# Altium PCB TinyShuffle v.0a.PcbDoc
Units mm, origin at the board's own origin, x right, y up, seen from the top; angles counter-clockwise.
Board outline 65 x 90 mm, 2 copper layers (Top Layer, Bottom Layer), stack 1.57 mm thick; 75 components, 39 nets, 353 pads, 283 vias.
Unrouted connection lines stored in the file: 21.
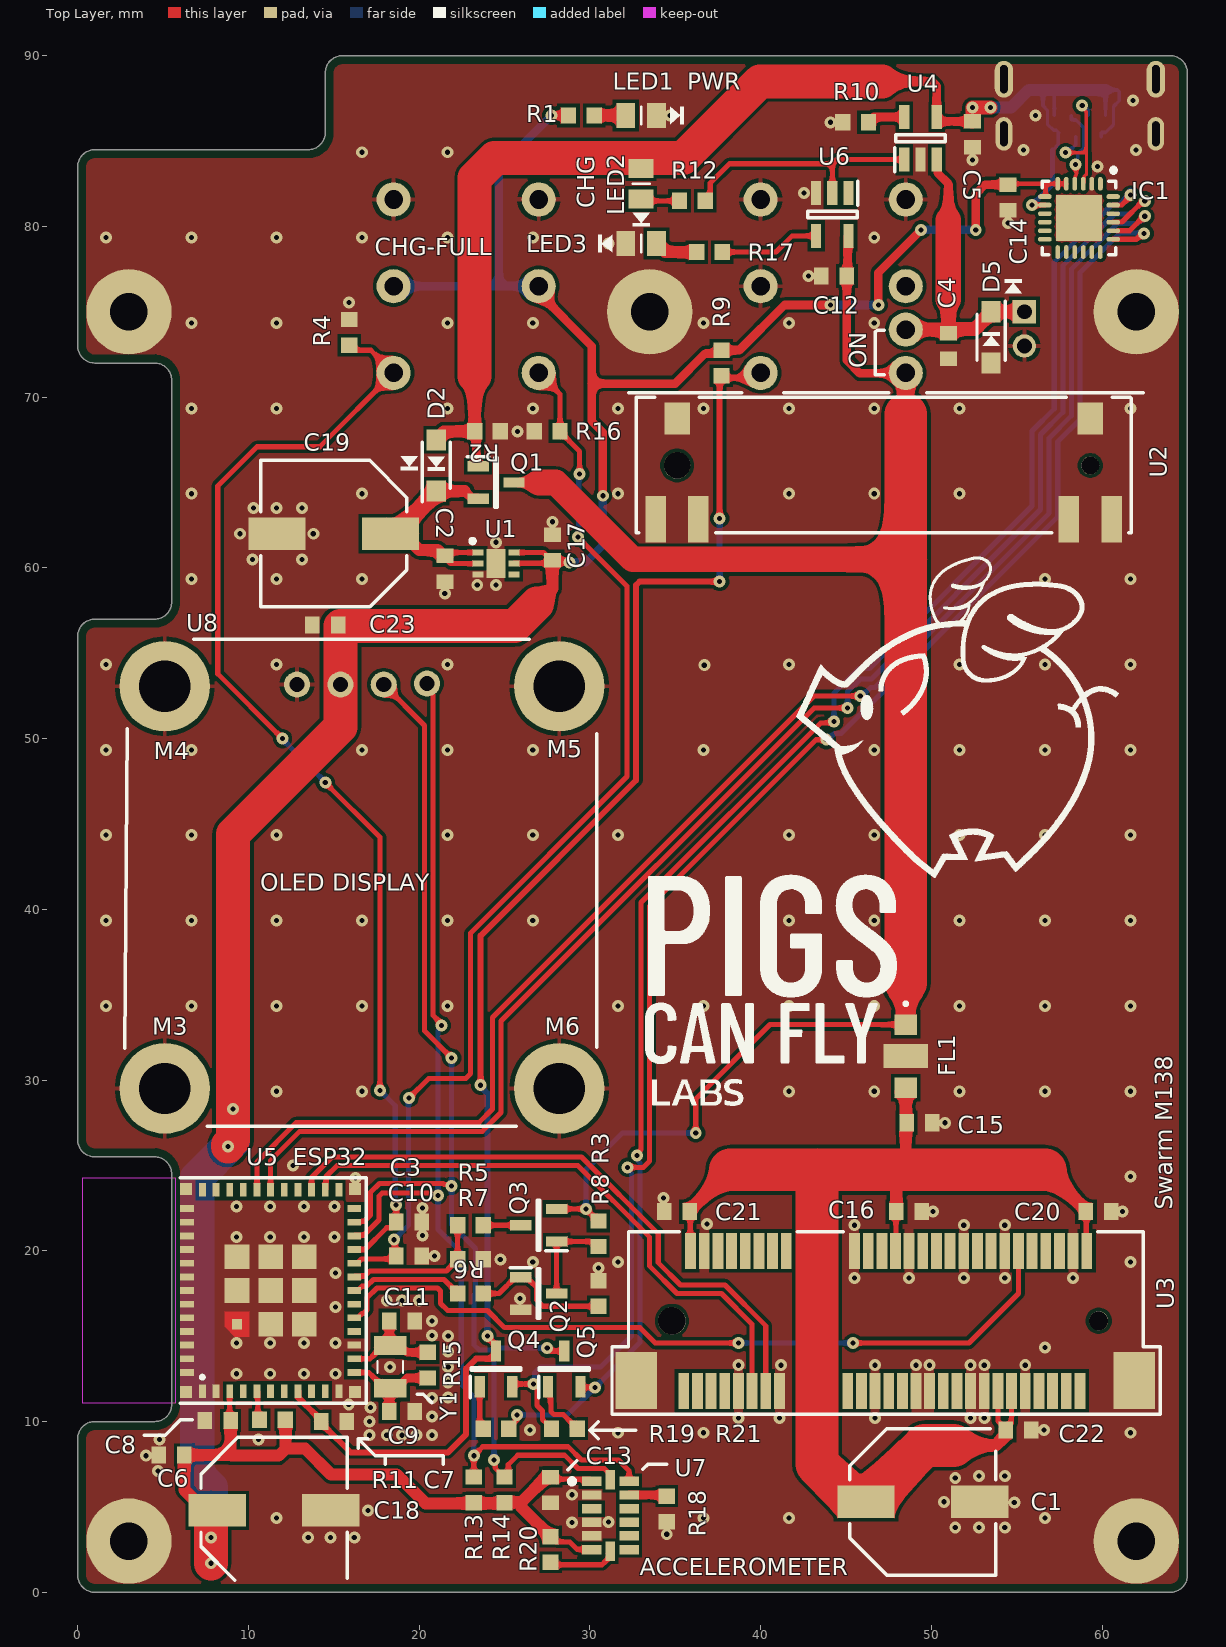
[diagram p0: Top Layer view]
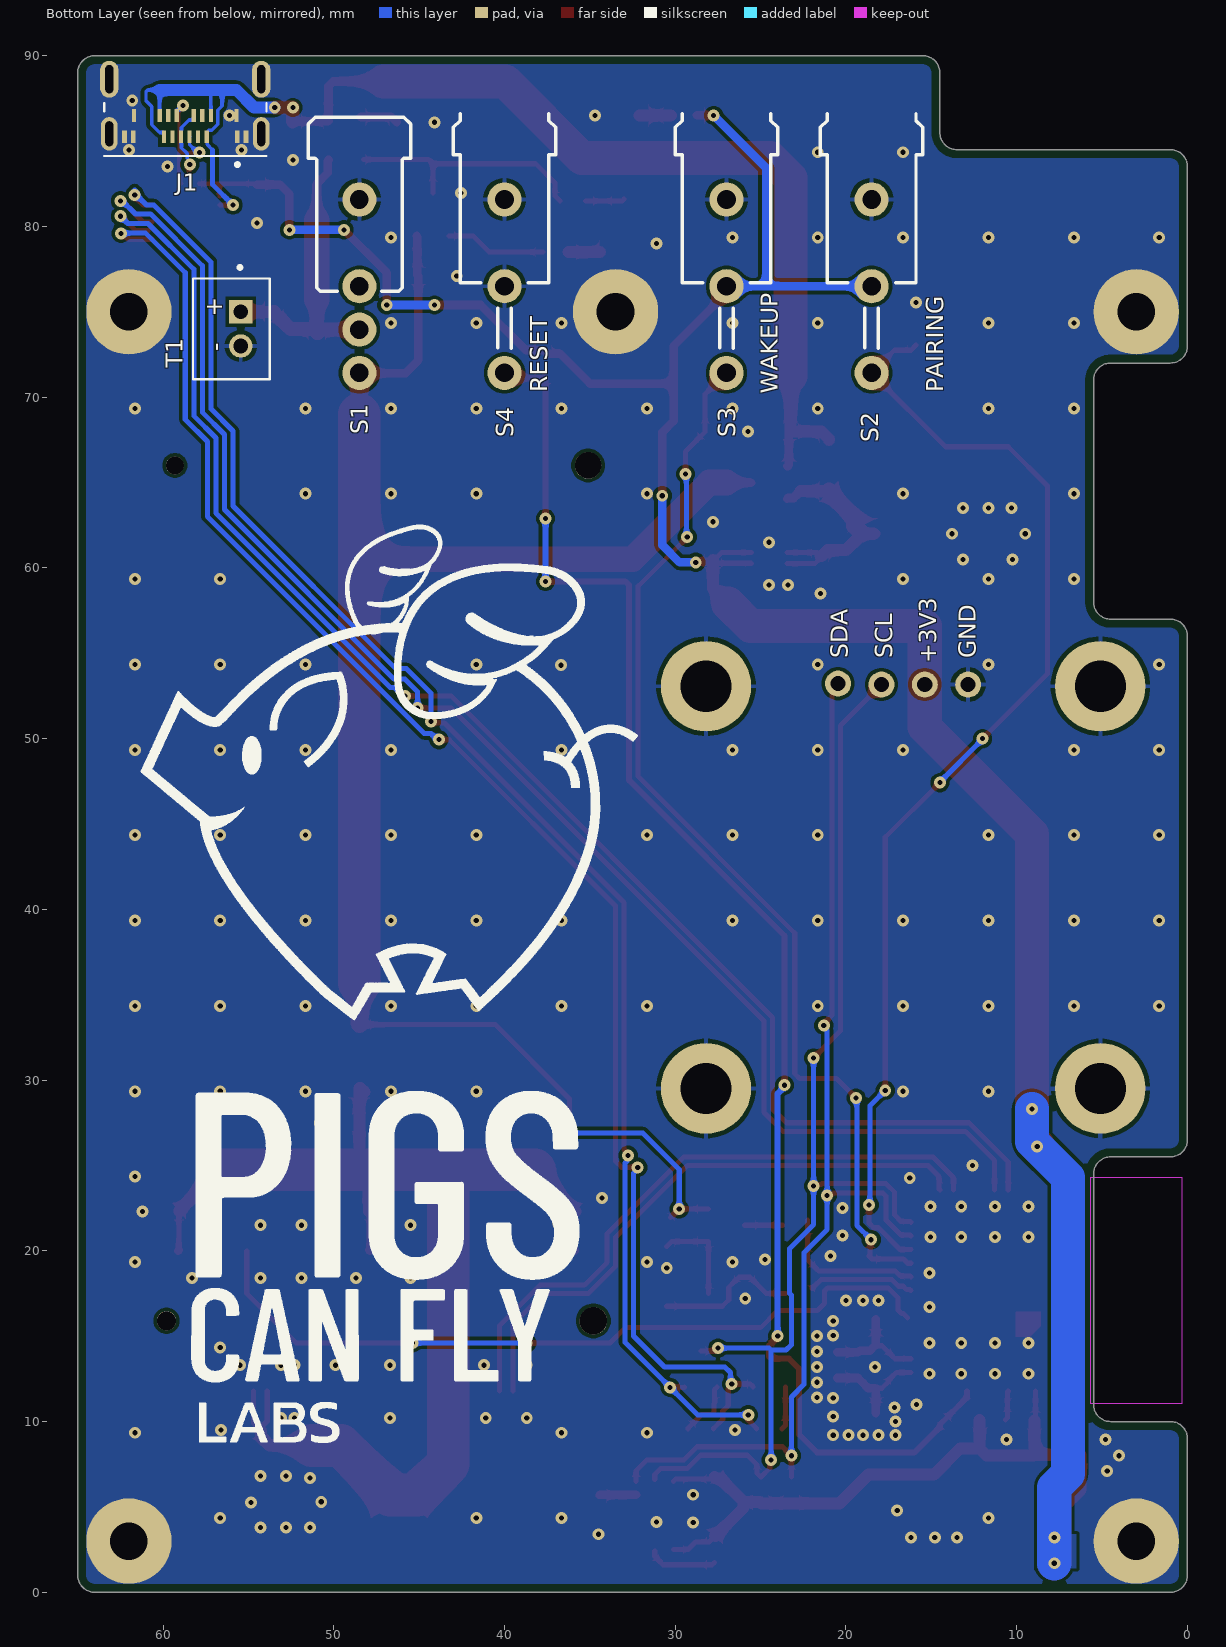
[diagram p1: Bottom Layer view, seen from below]
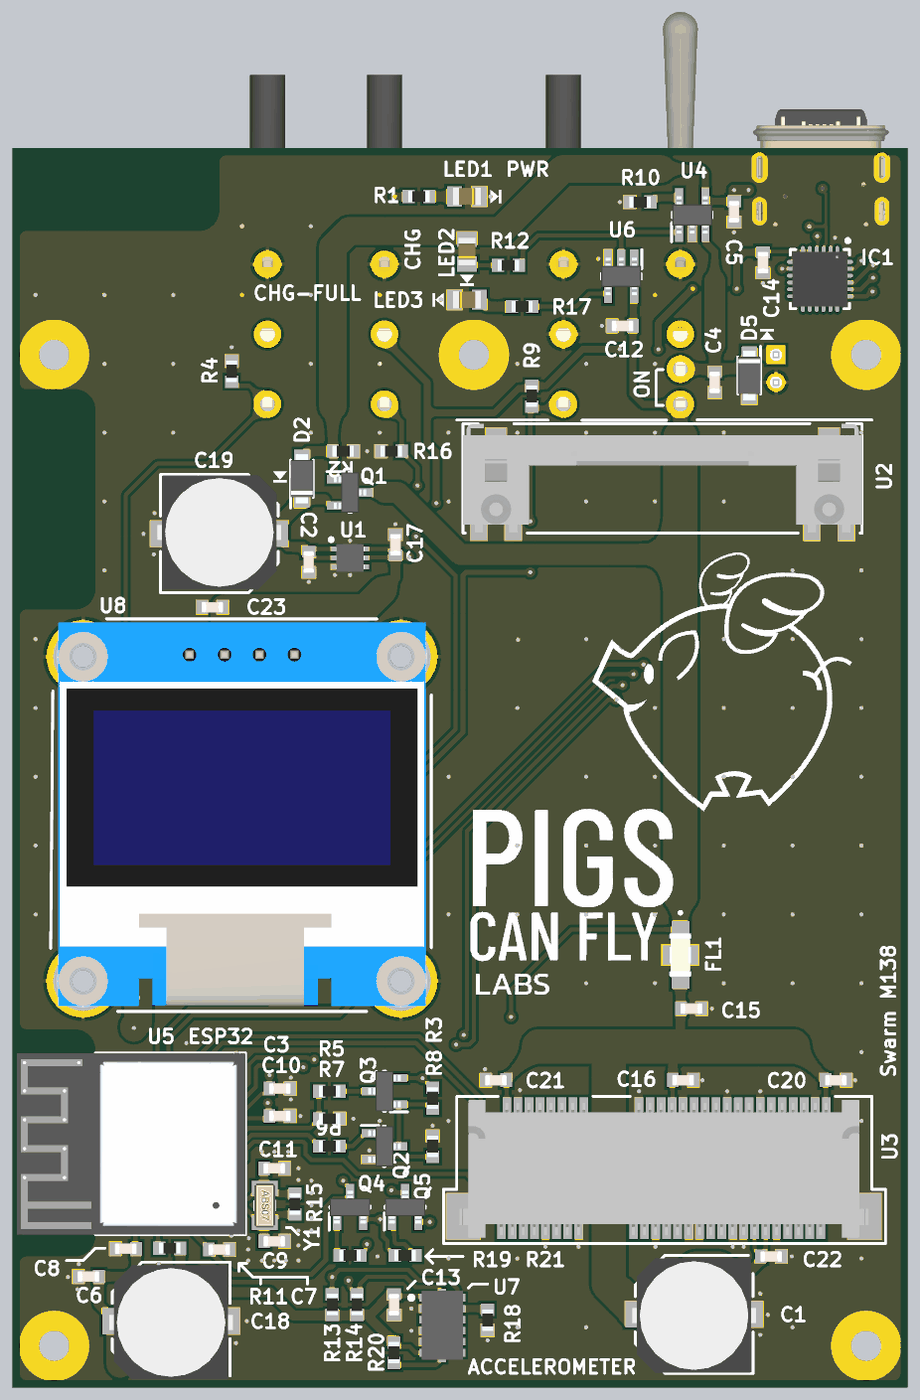
[diagram p2: 3D render of the assembled board from above, using the file's embedded part models]
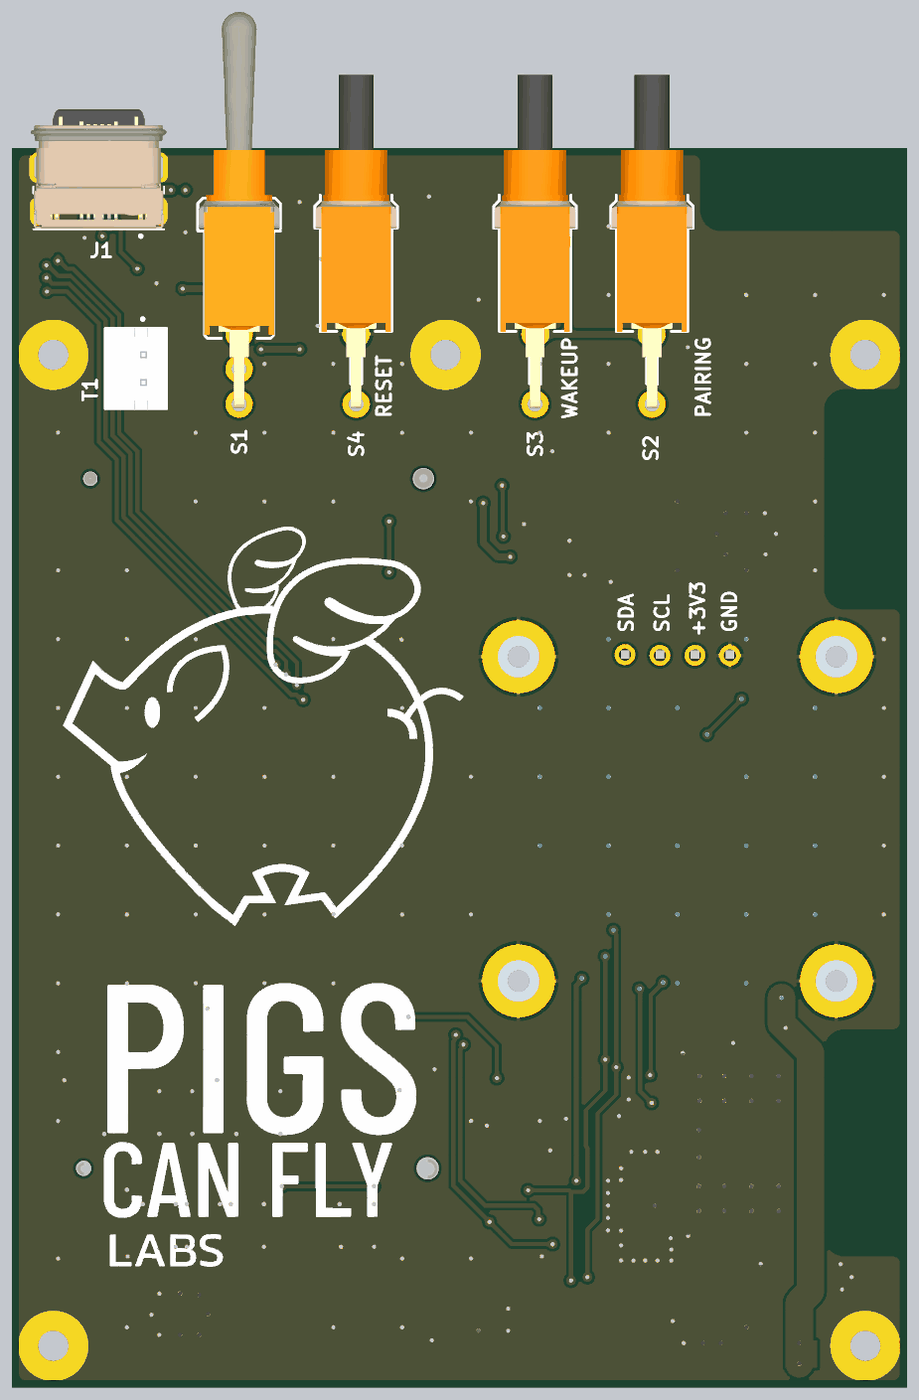
[diagram p3: 3D render of the assembled board from below, using the file's embedded part models]

## Layer stack, top to bottom
Top Solder: solder mask 0.0102, Solder Resist, Dk 3.5
Top Layer: signal copper 0.0356
Dielectric 1: core 1.4986, Core-043, Dk 4.3
Bottom Layer: signal copper 0.0356
Bottom Solder: solder mask 0.0102, Solder Resist, Dk 3.5

## Board outline
0,1 ccw(c1,1) 1,0 64,0 ccw(c64,1) 65,1 65,89 ccw(c64,89) 64,90 15.5,90 ccw(c15.5,89) 14.5,89 14.5,85.5 cw(c13.5,85.5) 13.5,84.5 1,84.5 ccw(c1,83.5) 0,83.5 0,73 ccw(c1,73) 1,72 4.5,72 cw(c4.5,71) 5.5,71 5.5,58 cw(c4.5,58) 4.5,57 1,57 ccw(c1,56) 0,56 0,26.5 ccw(c1,26.5) 1,25.5 4.5,25.5 cw(c4.5,24.5) 5.5,24.5 5.5,24.502 5.5,10.998 5.5,11 cw(c4.5,11) 4.5,10 1,10 ccw(c1,9) 0,9

## Design rules (kind name [scope] priority, off if disabled: settings)
BoardOutlineClearance [All] p1: gap=0.5 ignorepadtopadclearanceinfootprint=FALSE
Clearance [All] p1: gap=0.2 ignorepadtopadclearanceinfootprint=TRUE
ComponentClearance ComponentClearance_BAT [HasFootprint('353 ADAFRUIT BAT') vs HasFootprint('SMA')] p1: gap=0 collisioncheckmode=3 verticalgap=0 showdistances=FALSE
ComponentClearance ComponentClearance_ButCap [HasFootprint('BUTTON CUP') vs HasFootprint('800AWSP9M7QE')] p2: gap=0 collisioncheckmode=3 verticalgap=0 showdistances=FALSE
ComponentClearance ComponentClearance_Display [HasFootprint('I2C DISPLAY') vs HasFootprint('9774035243R')] p3: gap=0.254 collisioncheckmode=3 verticalgap=0 showdistances=FALSE
ComponentClearance ComponentClearance_Modem [InComponent('U2') vs InComponent('U3')] p4: gap=0 collisioncheckmode=3 verticalgap=0 showdistances=FALSE
ComponentClearance [All] p5: gap=0.256 collisioncheckmode=3 verticalgap=0.256 showdistances=TRUE
DiffPairsRouting [All] p1: maxlimit=0.254 minlimit=0.25 mostfreqgap=0.254 toplayer_minwidth=0.2 toplayer_maxwidth=0.381 toplayer_prefwidth=0.254 bottomlayer_minwidth=0.2 bottomlayer_maxwidth=0.381 bottomlayer_prefwidth=0.254 maxuncoupledlength=12.7
HoleSize [All] p1: absolutevalues=TRUE maxlimit=6.3 minlimit=0.3 maxpercent=80.000 minpercent=20.000
HoleToHoleClearance [All] p1: gap=0.5 allowstackedmicrovias=TRUE
MinimumSolderMaskSliver MinimumSolderMaskSliver_1 [HasFootprint('ADXL345BCCZRL')  OR HasFootprint ( 'RF_VHF_JAE_MM60-52B1-B1-R850_MM60-EZH039-B5-R850_W_2005_MPCIE_CARD') or HasFootprint ('CP2104') or HasFootprint ('SON65P200X200X80-7N')OR HasFootprint ('AMPHENOL_124019772112A')] p1: minsoldermaskwidth=0.06 // SILVER  0.1MM FOR FP
MinimumSolderMaskSliver [All] p2: minsoldermaskwidth=0.2
PlaneClearance [All] p1: clearance=0.2
PlaneConnect [All] p1: planeconnectstyle=Direct reliefexpansion=0.508 reliefentries=4 reliefconductorwidth=0.254 reliefairgap=0.254
PolygonConnect PolygonConnect_1 [All vs IsNamedPolygon('IN_L01_P001') Or IsNamedPolygon('VBAT_IN_L01_P006') Or IsNamedPolygon('VBAT_L01_P003') Or IsNamedPolygon('VBUS_L01_P002')  Or IsNamedPolygon('VBUS_L01_P010') or IsNamedPolygon('+3V3_L01_P014')] p1: connectstyle=Direct reliefconductorwidth=0.254 reliefentries=4 polygonreliefangle="90 Angle" airgapwidth=0.254
PolygonConnect [All] p2: thpad.connectstyle=Relief thpad.reliefconductorwidth=0.254 thpad.reliefentries=4 thpad.polygonreliefangle="90 Angle" thpad.airgapwidth=0.254 smdpad.connectstyle=Direct smdpad.reliefconductorwidth=0.254 smdpad.reliefentries=4 smdpad.polygonreliefangle="90 Angle" smdpad.airgapwidth=0.254 via.connectstyle=Direct via.reliefconductorwidth=0.254 via.reliefentries=4 via.polygonreliefangle="90 Angle" via.airgapwidth=0.254
RoutingVias [All] p1: holewidth=0.3 width=0.7 viastyle="Through Hole" minholewidth=0.3 minwidth=0.7 maxholewidth=0.3 maxwidth=0.7
SilkToSilkClearance [All] p1: silktosilkclearance=0.15
SilkToSolderMaskClearance [IsPad] p1: minsilkscreentomaskgap=0.15 clearancetoexposedcopper=TRUE
SolderMaskExpansion [All] p1: expansion=0.05 istentingtop=FALSE
Width [All] p1: maxlimit=10 minlimit=0.17 preferedwidth=0.3 minimp=50.000000 maximp=50.000000 favimp=50.000000
21 further rules are at their usual default settings.

## Classes and differential pairs
differential pair D: +D_P -D_N

## Components (designator, comment, footprint, x,y, rotation, side; value= is the part's Value field where it differs from the comment)
C1 "APXA6R3ARA221MH7" CHEMI-H70 49.5,5.3 r0 top locked value=220uF
C2 "CAPC1608N-1UF" "0603 CAPACITOR" 21.5,59.95 r90 top value=1UF
C3 "CAPC1608N-0.1UF" "0603 CAPACITOR" 19.4,21.7 r0 top locked value=100n
C4 "CAPC1608N-1UF" "0603 CAPACITOR" 51,73 r270 top locked value=1UF
C5 "CAPC1608N-1UF" "0603 CAPACITOR" 52.4,85.4 r90 top locked value=1UF
C6 "CAPC1608N-1UF" "0603 CAPACITOR" 5.5,8.038 r0 top locked value=1UF
C7 "CAPC1608N-1UF" "0603 CAPACITOR" 15,10 r180 top locked value=1UF
C8 "CAPC1608N-0.1UF" "0603 CAPACITOR" 8.201,10.064 r0 top locked value=100n
C9 "CAPC1608N-12PF" "0603 CAPACITOR" 19,10.6 r0 top locked value=12pf
C10 "CAPC1608N-0.1UF" "0603 CAPACITOR" 19.4,19.7 r0 top locked value=100n
C11 "CAPC1608N-12PF" "0603 CAPACITOR" 19,15.9 r0 top locked value=12pf
C12 "CAPC1608N-0.1UF" "0603 CAPACITOR" 44.3,77.1 r180 top locked value=100n
C13 "CAPC1608N-0.1UF" "0603 CAPACITOR" 27.7,6 r270 top locked value=100n
C14 "CAPC1608N-0.1UF" "0603 CAPACITOR" 54.5,81.7 r90 top locked value=100n
C15 "GRM188R61E106MA73D" "0603 Capacitor" 49.3,27.5 r0 top locked value=10UF
C16 "CAPC1608N-0.1UF" "0603 Capacitor" 48.7,22.3 r0 top locked value=100n
C17 "GRM188R61E106MA73D" "0603 Capacitor" 27.8,61.2 r270 top locked value=10UF
C18 "APXA6R3ARA221MH7" CHEMI-H70 11.5,4.8 r0 top locked value=220uF
C19 "APXA6R3ARA221MH7" CHEMI-H70 15,62 r180 top locked value=220uF
C20 "CAPC1608N-0.1UF" "0603 Capacitor" 59.8,22.3 r0 top locked value=100n
C21 "CAPC1608N-0.1UF" "0603 Capacitor" 35.1,22.3 r180 top locked value=100n
C22 "CAPC1608N-0.1UF" "0603 Capacitor" 55.1,9.5 r180 top locked value=100n
C23 "CAPC1608N-0.1UF" "0603 Capacitor" 14.5,56.661 r180 top locked value=100n
D2 "MBR120" SODFL3616X98N 21,66 r90 top locked
D5 "MBR120" SODFL3616X98N 53.5,73.5 r270 top locked
FL1 "YFF31HC2A105M" FIL_YFF31HC2A105M 48.5,31.4 r270 top locked
IC1 "CP2104-F03-GMR" CP2104 58.637,80.501 r180 top locked
J1 "124019772112A" AMPHENOL_124019772112A 58.7,88.625 r0 bottom locked
LED1 "5988110107F" LEDC2012X70N 33,86.5 r180 top locked value=RED
LED2 "5988130107F" LEDC2012X70N 33,82.5 r90 top locked value=ORANGE
LED3 "5988170107F" LEDC2012X70N 33,79 r0 top locked value=GREEN
M3 "9774035243R" 9774035243R 5.1,29.51 r0 top locked
M4 "9774035243R" 9774035243R 5.1,53.07 r0 top locked
M5 "9774035243R" 9774035243R 28.2,53.07 r0 top locked
M6 "9774035243R" 9774035243R 28.2,29.51 r0 top locked
Q1 "DMG3415U" SOT96P237X111-3N 24.5,65 r0 top locked
Q2 "BSS84" SOT96P237X111-3N 27,21.5 r180 top locked
Q3 "2N7002,215" SOT96P237X111-3N 27,17.5 r0 top locked
Q4 "MMBT2222ALT1G" SOT96P237X111-3N 24.5,13.08 r90 top locked
Q5 "MMBT2222ALT1G" SOT96P237X111-3N 28.5,13.08 r90 top locked
R1 "1K" RES0603 29.5,86.5 r180 top locked
R2 "100K" RES0603 24,68 r0 top
R3 "100K" RES0603 30.5,21 r270 top locked
R4 "10k 0603" RES0603 15.9,73.8 r90 top locked
R5 "330K" RES0603 23,21.5 r180 top locked
R6 "4.7K 0603" RES0603 23,17.5 r0 top
R7 "100K" RES0603 23,19.5 r0 top locked value=100k
R8 "100K" RES0603 30.5,17.5 r90 top locked
R9 "10k 0603" RES0603 37.7,72 r270 top locked
R10 "1.5K" RES0603 45.57,86.1 r180 top locked
R11 "10k 0603" RES0603 11.4,10.1 r180 top locked
R12 "1K" RES0603 36,81.5 r0 top locked
R13 "4.7K 0603" RES0603 23.2,6 r90 top locked
R14 "4.7K 0603" RES0603 25,6 r90 top locked
R15 "10M" RES0603 20.5,13.3 r90 top locked
R16 "10k 0603" RES0603 27.5,68 r180 top locked
R17 "1K" RES0603 37,78.5 r0 top locked
R18 "10k 0603" RES0603 34.497,4.875 r90 top locked
R19 "10k 0603" RES0603 24.5,9.58 r0 top locked
R20 "10k 0603" RES0603 27.7,2.5 r270 top locked
R21 "10k 0603" RES0603 28.5,9.58 r180 top locked
S1 "200AWMSP1T1A1M7QE" 200AWMSP1T1A1M7QE 48.5,76.5 r270 bottom locked
S2 "800AWSP9M7QE" 800AWSP9M7QE 18.5,76.5 r270 bottom locked
S3 "800AWSP9M7QE" 800AWSP9M7QE 27,76.5 r270 bottom locked
S4 "800AWSP9M7QE" 800AWSP9M7QE 40,76.5 r270 bottom locked
T1 "B2B-PH-K-S(LF)(SN)" JST_B2B-PH-K-S(LF)(SN) 56,74 r90 bottom locked
U1 "NCV8187AMT330TAG" SON65P200X200X80-7N 24.5,60.25 r0 top locked
U2 "MM60-EZH039-B5-R850" M.2 35.1,66 r0 top locked
U3 "MM60-52B1-B1-R850" MM60-52B1-B1-R850 34.8,15.9 r0 top locked
U4 "MCP73831T-2ACI/OT" SOT95P270X145-5N 49.362,85.16 r90 top locked value=MCP73831-2-OT
U5 "ESP32-C3-MINI-1-N4" XCVR_ESP32-C3-MINI-1-N4 8.6,17.675 r90 top locked
U6 "SN74LVC1G04DBVR" SOT95P270X145-5N 44.2,80.7 r270 top locked
U7 "ADXL345BCCZ-RL" ADXL345BCCZRL 31.2,4.5 r0 top locked
U8 "0.96\" i2c Olded Display" "I2C DISPLAY" 16,41 r0 top locked
Y1 "ABS07-32.768KHZ-T" XTAL_ABS07-32.768KHZ-T 18.3,13.2 r270 top locked

## Footprints (in the part's own frame and the unit in brackets; to place one, negate y for a bottom-side part, rotate by r counter-clockwise, add the part's x,y. Pads: shape width x height; smd on the part's side, far side on the other; paste and mask are expansions set on the pad)
200AWMSP1T1A1M7QE [mm] "SWITCH TOGGLE SPDT 3A 120V"
  round 2 hole 1.09: 1(0,0) 2(2.54,0) 3(5.08,0) M(-5.08,0)
  silkscreen extent -9.9,-3 0.3,3, body extent -23.42,-2.95 5.34,2.95, height 8.67
"0603 CAPACITOR" [mm]
  rect 0.85x1 smd: 1(-0.75,0) 2(0.75,0)
  body extent -0.8,-0.4 0.8,0.4, height 0.81
"0603 Capacitor" [mm]
  rect 0.85x1 smd: 1(-0.75,0) 2(0.75,0)
  body extent -0.8,-0.4 0.8,0.4, height 0.81
800AWSP9M7QE [mm] "SWITCH PUSH SPST-NO 1A 120V"
  round 2 hole 1.09: 1(0,0) 3(5.08,0) M(-5.08,0)
  silkscreen extent -10.1,-3 3.62,3, body extent -18.83,-2.95 5.34,2.95, height 8.74
9774035243R [mm] "RND STANDOFF M2X0.4 STEEL 3.5MM"
  round 5.3 hole 3: M(0,0)
  body extent -2.17,-2.17 2.17,2.17, height 3.5
ADXL345BCCZRL [mm]
  rect 1.145x0.55 smd mask+0.05: 1(-1.097,2) 2(-1.097,1.2) 3(-1.097,0.4) 4(-1.097,-0.4) 5(-1.097,-1.2) 6(-1.097,-2) 8(1.097,-2) 9(1.097,-1.2) 10(1.097,-0.4) 11(1.097,0.4) 12(1.097,1.2) 13(1.097,2)
  rect 0.55x1.145 smd mask+0.05: 7(0,-2.098) 14(0,2.098)
  silkscreen extent -2.4,1.85 -2.1,2.15, body extent -1.5,-2.5 1.5,2.5, height 1.1
AMPHENOL_124019772112A [mm]
  rect 0.25x0.75 smd: A1(-3.05,3.375) A4(-1.25,3.375) A5(-0.75,3.375) A6(-0.25,3.375) A7(0.25,3.375) A8(0.75,3.375) A9(1.25,3.375) A12(3.05,3.375) B1(3,2.125) B4(1.5,2.125) B5(1,2.125) B6(0.5,2.125) B7(-0.5,2.125) B8(-1,2.125) B9(-1.5,2.125) B12(-3,2.125)
  rect 0.3x0.75 smd: G1(-3.55,3.375) G2(3.55,3.375)
  oval 0.98x1.96 hole 0.45 slot 1.45 at 90 deg: S1(-4.45,3.2) S2(4.45,3.2)
  oval 1.08x2.16 hole 0.45 slot 1.65 at 90 deg: S3(-4.45,0) S4(4.45,0)
  silkscreen extent -4.75,1.4 4.75,5.1, body extent -4.92,-4.2 4.93,4.45, height 3.53
CHEMI-H70 [mil]
  rect 132x75 smd: 1(-131,0) 2(131,0)
  silkscreen extent -168,-169 168,168, body extent -177,-167 177,160, height 266
CP2104 [mm]
  oval 0.28x0.8 smd mask+0.05: 1(-1.263,-1.999) 2(-0.763,-1.999) 3(-0.263,-1.999) 4(0.237,-1.999) 5(0.737,-1.999) 6(1.237,-1.999) 13(1.237,2.001) 14(0.737,2.001) 15(0.237,2.001) 16(-0.263,2.001) 17(-0.763,2.001) 18(-1.255,2.001)
  oval 0.8x0.28 smd mask+0.05: 7(1.987,-1.248) 8(1.987,-0.749) 9(1.987,-0.248) 10(1.987,0.251) 11(1.987,0.752) 12(1.987,1.251) 19(-2.013,1.251) 20(-2.013,0.752) 21(-2.013,0.251) 22(-2.013,-0.248) 23(-2.013,-0.749) 24(-2.013,-1.248)
  rect 2.7x2.7 smd mask+0.05: 25(0,0.001)
  silkscreen extent -2.29,-3.05 2.15,2.15, body extent -1.99,-1.99 1.99,1.99, height 0.81
FIL_YFF31HC2A105M [mm]
  rect 1.2x1.3 smd: 1(-1.85,0) 3(1.85,0)
  rect 1.4x2.6 smd paste-2 mask+0: 2(0,0)
  silkscreen extent -3.17,-0.1 -2.97,0.1, body extent -1.6,-0.8 1.6,0.8, height 1.3
"I2C DISPLAY" [mil]
  round 60 hole 35: 1(-124.21,479.01) 2(-24.21,479.01) 3(75.79,479.01) 4(175.79,481.14)
  round 60 on Mech13: ""(-429.13,-452.36) ""(-429.13,475.2) ""(480.31,-452.36) ""(480.31,475.2)
  silkscreen extent -522,-539 567,583, body extent -500,-523 551,574, height 250
JST_B2B-PH-K-S(LF)(SN) [mm]
  rect 1.368x1.368 hole 0.86: 1(1,-0.55)
  round 1.368 hole 0.86: 2(-1,-0.55)
  silkscreen extent -2.95,-2.25 3.7,2.25, body extent -2.95,-2.25 2.95,2.25, height 6.01
LEDC2012X70N [mm]
  rect 1.1x1.45 smd: A(0.9,0) C(-0.9,0)
  silkscreen extent -2.5,-0.5 0,0.5, body extent -1,-0.62 1,0.62, height 0.71
M.2 [mm]
  rect 1.5x1.9 smd: S1_1(0.009,2.751) S2_1(24.209,2.751)
  rect 1.2x2.7 smd: S1_2(-1.241,-3.149) S1_3(1.259,-3.149) S2_2(22.959,-3.149) S2_3(25.459,-3.149)
  round 1.55 hole 1.55 unplated mask+0.102: ""(0.009,0.001)
  round 1.05 hole 1.05 unplated: ""(24.209,0.001)
  silkscreen extent -2.39,-3.95 26.61,4, body extent -2.39,-3.92 26.61,3.98, height 4.7
MM60-52B1-B1-R850 [mil] "PCIE CARD CONNECTOR"
  rect 25x83 smd mask+0.79: 1(27.56,-161.41) 2(43.31,161.42) 3(59.06,-161.41) 4(74.8,161.42) 5(90.55,-161.41) 6(106.3,161.42) 7(122.05,-161.41) 8(137.8,161.42) 9(153.54,-161.41) 10(169.29,161.42) 11(185.04,-161.41) 12(200.79,161.42) 13(216.53,-161.41) 14(232.28,161.42) 15(248.03,-161.41) 16(263.78,161.42) 17(405.51,-161.41) 18(421.26,161.42) 19(437.01,-161.41) 20(452.76,161.42) 21(468.5,-161.41) 22(484.25,161.42) 23(500,-161.41) 24(515.75,161.42) 25(531.5,-161.41) 26(547.24,161.42) 27(562.99,-161.41) 28(578.74,161.42) 29(594.49,-161.41) 30(610.24,161.42) 31(625.98,-161.41) 32(641.73,161.42) 33(657.48,-161.41) 34(673.23,161.42) 35(688.98,-161.41) 36(704.72,161.42) 37(720.47,-161.41) 38(736.22,161.42) 39(751.97,-161.41) 40(767.72,161.42) 41(783.46,-161.41) 42(799.21,161.42) 43(814.96,-161.41) 44(830.71,161.42) 45(846.46,-161.41) 46(862.2,161.42) 47(877.95,-161.41) 48(893.7,161.42) 49(909.45,-161.41) 50(925.2,161.42) 51(940.94,-161.41) 52(956.69,161.42)
  rect 96x132 smd: 53(-81.69,-137.79) 54(1065.95,-137.79)
  round 64.02 hole 64 unplated: ""(0,0)
  round 44.02 hole 44 unplated: ""(984.25,0)
  silkscreen extent -138,-215 1126,206, body extent -93,-198 1076,195, height 150